# KiCad board AWS PROJECT.kicad_pcb (continued)
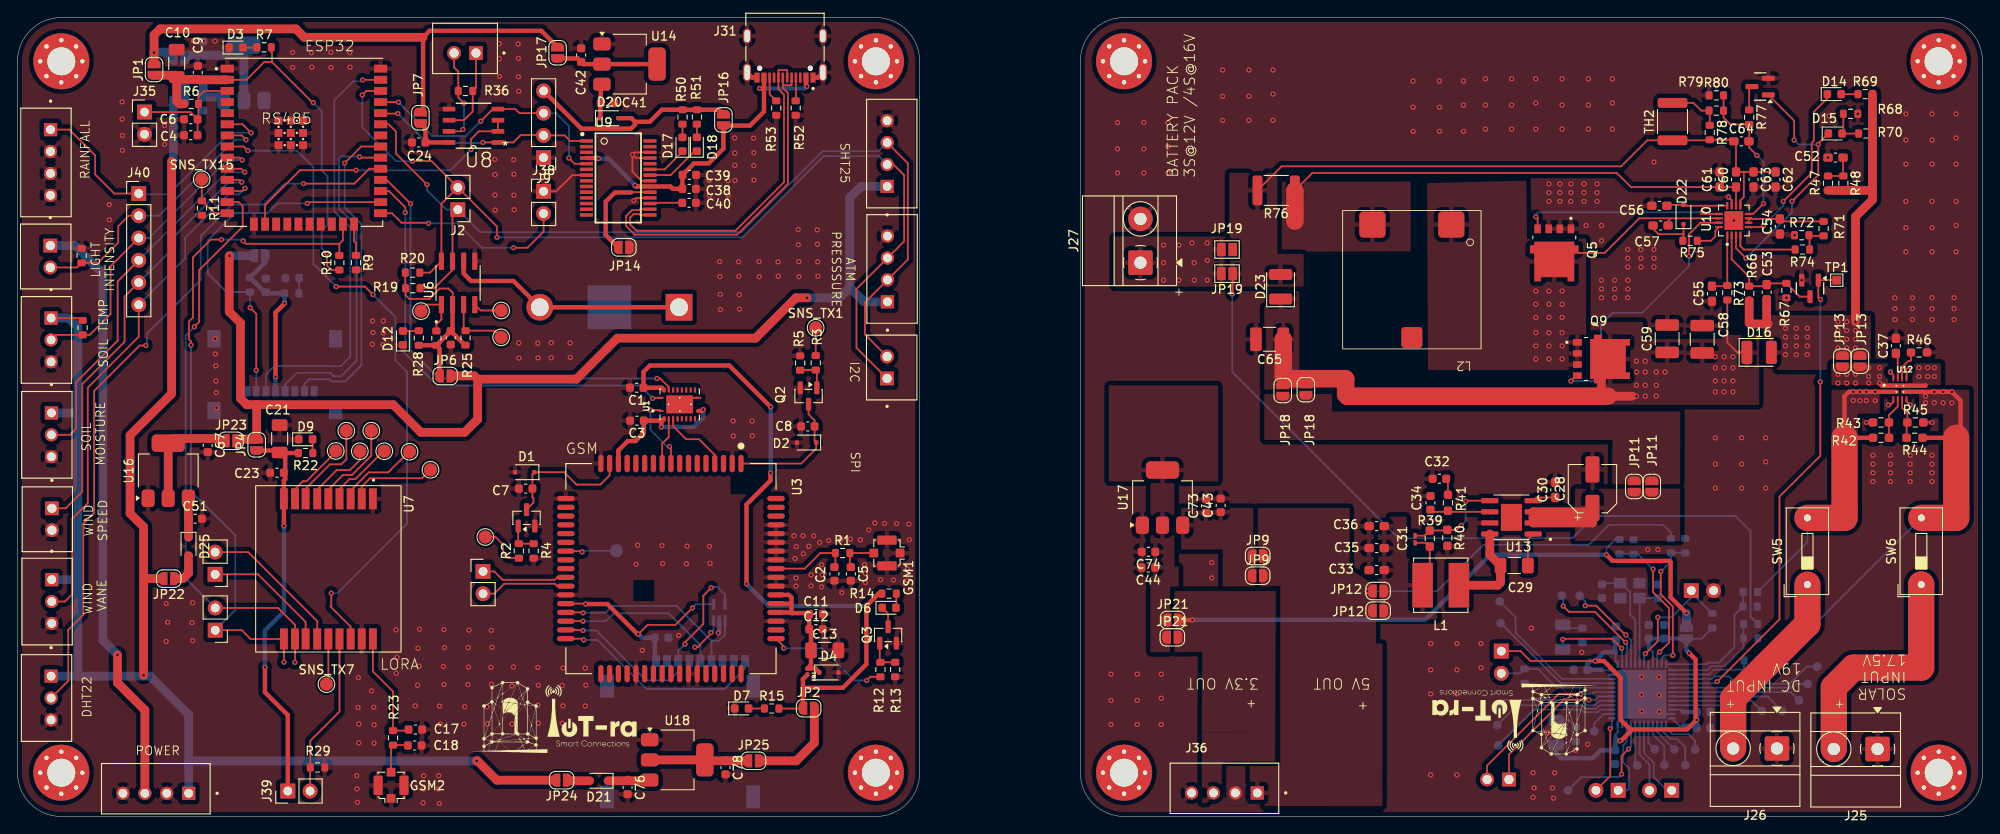
[diagram p0: board, top side]
## Routing (per net, layer and track width the routed paths; a pad name or vN(x,y) marks a point on that pad's centre or on a via; arc(x,y) is an arc through that point) (continued)
/gate way/SIM CLK: length 23.8
  Top w0.2: v1(79.16,21.01) 79.16,20.88 77.62,19.34 v1(77.33,19.34) ; v1(64.56,22.3) 64.55,22.31 U3.32
  Bottom w0.2: D5.3 79.47,21.32 v1(79.16,21.01) ; 77.97,19.32 77.94,19.34 v1(77.33,19.34) ; 77.97,19.32 J10.C3 ; 77.97,19.32 77.97,19.58 74.35,23.2 68.07,23.2 67.17,22.3 v1(64.56,22.3)
/gate way/SIM DATA: length 24.4
  Top w0.2: v1(64.58,23.26) 64.53,23.31 U3.31
  Bottom w0.2: 79.23,20.05 79.25,20.07 80.08,20.07 80.77,20.76 D5.1 ; 79.23,20.05 75.24,24.05 67.9,24.05 67.11,23.26 v1(64.58,23.26) ; 79.23,20.05 J10.C7
/gate way/SIM DET: length 24.7
  Top w0.2: v1(64.63,20.16) 64.48,20.31 U3.34
  Bottom w0.2: v1(64.63,20.16) 66.21,20.16 71.81,14.56 80.72,14.56 83.05,16.88 J10.CD
/gate way/SIM RST: length 29.8
  Top w0.2: v1(76.2,19.68) 76.2,19.89 78.3,21.99 78.3,25.22 v1(79.21,26.13) ; U3.33 64.5,21.31 v1(64.56,21.25)
  Bottom w0.2: v1(76.2,19.68) 75.42,18.91 J10.C2 75.42,16.55 74.42,15.55 71.76,15.55 66.06,21.25 v1(64.56,21.25) ; D5.5 80.77,25.35 79.91,26.21 79.29,26.21 v1(79.21,26.13)
/gate way/SIM VDD: length 24.5
  Top w0.2: v1(70.88,20.83) 71.93,21.88 75.11,21.88 v1(77.06,23.83) ; v1(64.86,24.26) 64.81,24.31 U3.30
  Top w0.5: v1(70.88,20.83) 70.78,20.83 67.35,24.26 v1(64.86,24.26)
  Bottom w0.2: D5.4 77.48,24.25 v1(77.06,23.83)
  Bottom w0.5: v1(70.88,20.83) 71.3,20.41 C14.1 72.76,17.88 J10.C1
/gate way/strap2: length 3.7
  Top w0.2: U2.24 38.42,65.72 38.64,65.5 R9.1
/gate way/strap12: length 6
  Top w0.2: SNS_TX15.1 21.03,70.34 R11.1 22.48,68.9 U2.14
/gate way/tx: length 31.1
  Top w0.2: J9.3 57.29,80.33 56.83,80.79 U8.4 54.27,80.79 v1(52.88,79.41) ; v1(62.95,75.19) 63.58,74.55 U9.5 ; v1(43.49,81.58) 43.14,81.58 43.12,81.6 U2.35
  Bottom w0.2: v1(43.49,81.58) 47.36,77.71 51.18,77.71 v1(52.88,79.41) ; J9.3 61.48,80.33 62.95,78.86 v1(62.95,75.19)
/gate way/USBD+: length 38.3
  Top w0.2: J31.A6 87.87,85.21 87.82,85.26 86.92,85.26 86.87,85.21 J31.B6 86.87,83.08 87.28,82.67 87.28,82.66 87.5,82.44 87.5,72.44 81.97,66.91 70.65,66.91 69.94,67.62 69.94,68.39 70.35,68.8 70.98,68.8 71.08,68.7 U9.15
/gate way/USBD-: length 39.8
  Top w0.2: 88.41,84.43 J31.B7 88.37,83.57 88.32,83.52 87.42,83.52 87.37,83.57 ; U9.16 71.08,69.35 70.98,69.25 70.17,69.25 69.48,68.57 69.48,67.44 70.47,66.45 82.15,66.45 87.95,72.26 87.95,82.65 87.79,82.81 87.79,82.81 87.37,83.23 87.37,83.57 ; 87.37,83.57 J31.A7
/gate way/VH400: length 43.7
  Top w0.2: v1(25.94,73.59) 25.55,73.98 U2.10 ; J40.4 11.43,61.12 11.43,54.34 6.69,49.6 6.69,44.29 5.99,43.59 J20.2
  Bottom w0.2: v1(25.94,73.59) 23.9,73.59 J40.4
/gate way/VSPI-CLK: length 39.2
  Top w0.2: v1(39.05,75.34) 39.14,75.25 U2.30
  Bottom w0.2: J19.5 30.55,49.36 31.86,50.67 35.73,50.67 36.12,50.28 36.93,50.28 38.7,52.05 38.7,67.44 36.69,69.45 36.69,75.12 36.95,75.38 39.01,75.38 v1(39.05,75.34)
/gate way/VSPI-MISO: length 37.2
  Top w0.2: U2.31 39.24,76.52 v1(37.35,74.63)
  Bottom w0.2: v1(37.35,74.63) 37.35,69.56 39.26,67.65 39.26,51.54 37.4,49.68 35.87,49.68 35.61,49.94 33.33,49.94 32.75,49.36 J19.7
/gate way/VSPI-MOSI: length 48.7
  Top w0.2: v1(39.41,84.12) 39.43,84.14 U2.37
  Bottom w0.2: v1(39.41,84.12) 39.25,83.96 38.34,83.96 36.16,81.78 36.16,69.12 37.99,67.29 37.99,52.51 36.91,51.43 35.42,51.43 35.39,51.46 29.33,51.46 28.36,50.48 28.36,48.56
/power board/BATT_INPUT: length 11.9
  Bottom w0.2: U15.13 192.94,16.71 193.4,17.17 194.92,17.17 197.05,19.3 R65.1 197.05,20.35 R64.2
/power board/BATT_VAL: length 160
  Top w0.2: R76.2 144.31,74.25 183.09,74.25 186.06,77.23 TH2.1 193.14,77.23 R78.2 195.77,77.29 C64.1 196.2,76.87 C60.2 197.09,73.62 ; C62.1 C63.1 197.09,73.62 ; JP19#2.1 138.74,59.73 v1(138.68,59.67) ; U10.9 196.7,70.37 197.09,70.75 197.09,73.62
  Bottom w0.2: R64.1 197.85,22.81 197.85,32.56 197.87,32.58 196.13,34.32 180.05,34.32 177.52,31.79 157.67,31.79 138.68,50.78 v1(138.68,59.67)
/power board/BATTERY BMS:
  vias: v1(130.84,65.25) v1(130.84,63.25) v1(130.84,61.25) v1(132.59,65.25) v1(132.59,63.25) v1(132.59,61.25) v1(134.09,65.5) v1(134.34,63.25) v1(134.34,61.25) v1(135.84,65.5) v1(135.84,63.5) v1(135.84,61.25)
/power board/BOOT0_MCU: length 13.7
  Bottom w0.2: U15.44 175.71,14.71 173.56,16.85 172.06,16.85 171.56,16.35 J7.2
/power board/BOOT1_MCU: length 10.7
  Bottom w0.2: U15.20 197.98,13.21 PB9.1
/power board/btst: length 3.5
  Top w0.2: R75.2 193.34,65.75 193.84,66.25 193.84,66.89 U10.16
/power board/CE: length 58.2
  Top w0.2: v1(205.82,49.65) 205.82,41.2 201.16,36.54 201.16,22.52 v1(194.05,15.41) ; TP1.1 Q4.1 205.6,59.3 v1(205.84,59.06)
  Bottom w0.2: v1(205.84,59.06) 205.82,59.04 v1(205.82,49.65) ; v1(194.05,15.41) 193.85,15.21 U15.16
/power board/cin: length 12.2
  Bottom w0.2: C45.2 181.04,26.64 183.08,26.64 184.12,25.61 184.12,23.05 184.69,22.47 U15.5
/power board/cout: length 9.7
  Bottom w0.2: C46.2 187.26,24.94 Y1.3 185.19,20.68 185.19,20.68 185.19,19.04 185.19,19.03 U15.6
/power board/DC JACK INPUT: length 38.3
  Top w0.5: R42.1 208.59,43.25 208.59,48 209.09,48.5 v1(209.59,48.5) v1(210.34,48.5) v1(211.09,48.5) v1(212.09,48.5) U12.2_1
  Top w3: SW5.2 208.59,34.11 208.59,43.25
  Bottom w0.2: SW5.2 204.35,31.33 R59.1
  vias: v1(209.59,47.5) v1(210.34,47.5) v1(211.09,47.5) v1(212.09,47.5)
/power board/DC_INPUT: length 15.3
  Bottom w0.2: R59.2 197,24.02 R60.1 196.01,23.02 196.01,19.33 194.25,17.57 192.99,17.57 192.82,17.39 U15.12
/power board/FB: length 11.5
  Top w0.2: C31.2 160.64,32.07 R39.2 163.16,32.66 R40.1 164.32,32.74 v1(164.84,33.25) ; v1(165.34,36) 165.59,36 165.65,36.07 U13.5
  Bottom w0.2: v1(165.34,36) 165.34,33.75 v1(164.84,33.25)
/power board/hidriv: length 31
  Top w0.2: U10.15 192.15,67.82 190.84,66.5 v1(190.84,64) ; v1(177.35,49.74) 177.96,50.35 Q9.4
  Bottom w0.2: v1(177.35,49.74) 180.23,49.74 180.78,50.29 180.78,56.18 182.11,57.51 185.47,57.51 190.84,62.88 v1(190.84,64)
/power board/lodriv: length 22.8
  Top w0.2: v1(173.34,68.5) 173.54,68.3 Q5.4 ; U10.13 192.52,68.82 v1(192.34,69)
  Bottom w0.2: v1(192.34,69) 173.59,69 173.34,68.75 v1(173.34,68.5)
/power board/MCU_SCL: length 17.4
  Top w0.2: v1(179.41,13.31) 179.37,13.35 176.55,13.35 170.28,7.08 J4.1
  Bottom w0.2: U15.42 180.52,13.71 180.12,13.31 v1(179.41,13.31)
/power board/MCU_SDA: length 19.3
  Top w0.2: J4.2 167.78,5.82 175.98,14.02 v1(178.46,14.02)
  Bottom w0.2: U15.43 179.97,14.21 179.78,14.02 v1(178.46,14.02)
/power board/mpptset: length 14.4
  Top w0.2: Q4.3 203.47,59.37 R67.2 200.23,60.89 200.08,60.74 C53.2 199.52,60.57 R66.1 197.7,61.64 195.7,63.64 U10.2
/power board/MUXOUT: length 42.1
  Top w0.2: C53.1 199.7,56.89 199.84,56.75 ; 200.49,52.75 D16.2
  Top w1: C53.1 199.7,56.39 199.84,56.25 197.84,56.25 197.7,56.39 R66.2 ; v1(209.84,56.5) 209.84,68.5 211.77,70.44 211.77,71.5 ; 211.77,71.5 R48.2 R47.2 ; 211.77,71.5 R69.2
  vias: v1(201.84,55.75) v1(201.84,54.75) v1(201.84,53.75) v1(201.84,52.75) v1(203.09,55.75) v1(203.09,54.75) v1(203.09,53.75) v1(203.09,52.75) v1(204.34,55.75) v1(204.34,54.75) v1(204.34,53.75) v1(204.34,52.75) v1(207.84,56.5) v1(207.84,55.5) v1(207.84,54.5) v1(207.84,53.5) v1(208.84,56.5) v1(208.84,55.5) v1(208.84,54.5) v1(208.84,53.5) v1(209.84,55.5) v1(209.84,54.5) v1(209.84,53.5)
/power board/OV1: length 4.7
  Top w0.2: R44.2 215.67,44.92 R45.1 215.76,46.08 215.16,46.68 U12.5
/power board/OV2: length 4.9
  Top w0.2: U12.4 214.66,46.83 213.66,45.83 R43.1 R42.2
/power board/ph: length 21.4
  Top w0.2: 188.76,68.32 185.15,68.32 181.2,64.37 Q5.5_6 ; 188.76,68.32 188.45,68 C56.2 ; 188.76,68.32 U10.14
  vias: v1(173.34,60) v1(173.34,58.5) v1(173.34,57) v1(173.34,55.25) v1(173.34,53.75) v1(173.34,52.25) v1(174.84,60) v1(174.84,58.5) v1(174.84,57) v1(174.84,55.25) v1(174.84,53.75) v1(174.84,52.25) v1(176.34,60) v1(176.34,58.5) v1(176.34,57) v1(176.34,55.25) v1(176.34,53.75) v1(176.34,52.25)
/power board/regn: length 7
  Top w0.2: C57.1 188.41,69.85 D22.2 190.44,69.85 190.54,69.75 U10.12
/power board/RST_MCU: length 14.9
  Top w0.2: v1(187.27,22.75) 187.27,20.02 v1(185.85,18.6)
  Bottom w0.2: 191.09,25.56 191.09,25 188.84,22.75 v1(187.27,22.75) ; 191.09,25.56 193.48,23.18 R32.1 ; 191.09,25.56 J8.1 ; U15.7 185.69,18.44 v1(185.85,18.6)
/power board/SOLAR INPUT: length 53.7
  Top w0.5: R44.1 221.34,43.25 221.84,43.75 221.84,47.5 v1(220.84,48.5) v1(219.84,48.5) v1(218.84,48.5) U12.7_1
  Top w3: SW6.2 221.34,34.11 221.34,43.25
  Bottom w0.2: R81.1 201.11,17.82 203.82,20.53 203.82,20.58 SW6.2
  vias: v1(217.84,48) v1(217.84,47.25) v1(218.84,47.25) v1(219.84,47.25) v1(220.84,47.25)
/power board/SOLAR_INPUT: length 10.6
  Bottom w0.2: 197.12,17.82 197.11,17.81 R82.1 197.11,16.67 197.01,16.77 193.67,16.77 193.11,16.21 U15.14
/power board/srp: length 57.5
  Top w0.2: R76.1 147.84,73.5 182.59,73.5 184.2,71.89 C61.1 C60.1 U10.10
  Top w2: R76.1 145.84,68
/power board/stat1: length 19.8
  Top w0.2: v1(201.59,70.25) 204.84,73.5 204.84,76.92 205.09,77.17 205.09,80.49 206.62,82.03 D14.1 ; v1(199.34,67.5) 199.15,67.32 U10.5
  Bottom w0.2: v1(199.34,67.5) 201.59,69.75 v1(201.59,70.25)
/power board/stat2: length 30.6
  Top w0.2: U10.3 196.2,64.89 v1(197.34,63.75) ; v1(202.84,77.25) 202.84,79.47 Q12.1 ; D15.1 205.59,76.85 205.59,73.25 v1(202.59,70.25)
  Bottom w0.2: v1(202.59,70.25) 202.59,69 v1(197.34,63.75) ; v1(205.59,76.75) 203.34,76.75 v1(202.84,77.25)
/power board/SW_AP: length 10.9
  Top w1: L1.1 169,26.41 169.31,26.73 C29.1 168.09,29.89 U13.8
/power board/ts: length 7.7
  Top w0.2: R74.2 197.09,64.75 196.7,65.14 U10.4
/power board/vfb: length 17.8
  Top w0.2: v1(199.34,70) 198.15,68.82 U10.8 ; R80.2 R79.1 194.77,79.82 195.59,79 195.62,79.04 R77.2 197.7,77.14 C64.2 197.67,76.42 v1(198.59,75.5)
  Bottom w0.2: v1(199.34,70) 199.34,74.75 v1(198.59,75.5)
/power board/vref: length 9.2
  Top w0.2: R71.2 201.49,67.97 C54.1 197.7,68.25 U10.7 U10.6
Net-(C5-Pad1): length 4.4
  Top w0.2: C5.1 95.02,28.6 R1.2 GSM1.1
Net-(C11-Pad1): length 17.3
  Top w0.5: 88.48,23.24 88.36,23.36 88.36,24.3 ; 88.48,23.24 88.49,23.23 90.27,23.23 90.39,23.12 90.39,21.39 C12.1 90.59,21.19 C13.1 90.59,17.32 90.18,16.91 91.07,16.91 D4.1 ; 88.48,23.24 88.24,23.24 88.17,23.31 U3.55 ; U3.56 86.61,24.3 88.36,24.3 ; 88.36,24.3 88.36,25.01 88.06,25.31 U3.57
Net-(C18-Pad1): length 4.9
  Top w0.2: GSM2.1 42.64,7.93 R23.2 44.53,8.16 C18.1
Net-(C32-Pad1): length 1.9
  Top w0.2: R41.1 163.31,38.38 C32.1
Net-(C52-Pad1): length 3.9
  Top w0.2: C52.1 208.42,73.18 R48.1 R47.1
Net-(C56-Pad1): length 6
  Top w0.2: C56.1 186.72,67.12 187.34,66.5 190.2,66.5 ; D22.1 190.2,66.5 ; 190.2,66.5 190.2,65.83 R75.1
Net-(D3-A): length 1.6
  Top w0.2: D3.2 27.3,87.82 R7.1
Net-(D6-A): length 1.6
  Top w0.2: D6.2 100.33,23.88 R14.1
Net-(D6-K): length 2.4
  Top w0.2: Q3.3 99.39,23.16 D6.1
Net-(D7-A): length 1.8
  Top w0.2: R15.1 83.47,12.33 D7.2
Net-(D9-A): length 1.6
  Top w0.2: D9.2 33.69,41.54 R22.1
Net-(D10-K): length 2.5
  Bottom w0.2: R31.2 177.19,10.95 D10.1
Net-(D12-A): length 1.8
  Top w0.2: R28.1 45.78,55.44 D12.2
Net-(D13-A): length 1.8
  Bottom w0.2: D13.2 32.16,59.79 R30.1
Net-(D14-A): length 1.9
  Top w0.2: R69.1 D14.2
Net-(D15-A): length 4.2
  Top w0.2: R68.2 208.45,78.14 D15.2 R70.1
Net-(D16-K): length 59.3
  Top w0.2: D16.1 196.34,53 195.2,54.14 R73.2
  Top w1: Q9.5_6 180.84,48.5 180.34,48 184.34,48
  Top w2: 181.59,48 151.82,48 151.63,48.19 151.63,49.94 151.57,50 144.84,50 144.51,50.33 C65.1
  vias: v1(184.84,52) v1(184.84,50.75) v1(184.84,49.25) v1(184.84,48) v1(185.84,52) v1(185.84,50.75) v1(185.84,49.25) v1(185.84,48) v1(187.09,50.75) v1(187.09,49.25) v1(187.09,48) v1(188.09,50.75) v1(193.84,52.5) v1(193.84,51.25) v1(193.84,49.75) v1(193.84,48.5) v1(194.84,52.5) v1(194.84,51.25) v1(194.84,49.75) v1(194.84,48.5) v1(195.84,52.5) v1(195.84,51.25) v1(195.84,49.75) v1(195.84,48.5)
Net-(D17-A): length 1.5
  Top w0.2: D17.2 75.92,77.58 R50.1
Net-(D17-K): length 4.6
  Top w0.2: U9.23 73.88,73.91 75.91,75.94 D17.1
Net-(D18-A): length 1.5
  Top w0.2: R51.1 D18.2
Net-(D18-K): length 6.5
  Top w0.2: U9.22 74.56,73.25 77.3,75.99 D18.1
Net-(D19-A): length 10.2
  Top w0.2: v1(176.41,20.23) 176.48,20.3 182.05,20.3 v1(183.14,19.21)
  Bottom w0.2: U15.2 183.19,19.16 v1(183.14,19.21) ; v1(176.41,20.23) D19.2
Net-(D19-K): length 2.4
  Bottom w0.2: R37.2 176.81,21.5 D19.1
Net-(D20-K): length 4
  Top w0.5: U14.3 66.58,83.5 C41.1 66.54,81.44 D20.1 ; 66.72,81.4 66.78,81.34
Net-(D21-A): length 2.6
  Top w1: D21.2 62.84,4.08 JP24.1
Net-(D21-K): length 4.9
  Top w1: 69.72,4.16 C76.1 ; U18.3 72.09,4.08 D21.1
Net-(D24-A): length 2.5
  Bottom w1: D24.2 19.09,84.08 JP10.1
Net-(D24-K): length 4.5
  Bottom w1: D24.1 21.19,84.08 C47.1 23.14,82.18 U11.3
Net-(D25-A): length 3.9
  Top w1: JP22.1 18.89,27.17 19.52,27.8 D25.2
Net-(D25-K): length 4.5
  Top w1: D25.1 19.52,33.99 C51.1 19.5,36.33 U16.3
Net-(J5-Pin_1): length 9.7
  Bottom w0.2: 189.19,2.98 188.69,2.98 ; J5.1 188.29,2.99 186.81,4.47 186.81,6.14 185.69,7.25 U15.30
Net-(J5-Pin_2): length 8
  Bottom w0.2: J5.2 186.31,5.93 185.19,7.05 185.19,7.85 185.2,7.86 185.2,9.79 185.19,9.79 U15.31
Net-(J6-Pin_1): length 9.1
  Bottom w0.2: J6.1 183.8,2.99 183.99,3.18 183.99,5.51 183.32,6.18 183.32,8.14 183.69,8.51 U15.34
Net-(J6-Pin_2): length 9
  Top w0.2: J6.2 181.84,4.62 v1(181.84,10.03)
  Bottom w0.2: v1(181.84,10.03) 182.01,10.2 U15.37
Net-(J13-Pin_1): length 14.5
  Top w0.2: J13.1 27.45,27.66 32.89,22.22 U7.12
Net-(J13-Pin_2): length 17
  Top w0.2: 22.56,30.19 26.34,30.19 34.22,22.31 U7.13
Net-(J25-Pin_2): length 27.4
  Top w3: J25.2 207.36,14.75 209.61,17 217.34,17 217.34,26.49 SW6.1
Net-(J26-Pin_2): length 22.2
  Top w3: SW5.1 204.35,21.98 195.87,13.5 J26.2
Net-(J31-CC1): length 2.7
  Top w0.2: 88.84,81.73 88.87,81.76 J31.A5
Net-(J31-CC2): length 3
  Top w0.2: J31.B5 85.87,82.48 86.62,81.73
Net-(J35-Pin_1): length 14.4
  Top w0.2: C6.1 20.66,79.72 R6.2 20.66,82.2 21.32,82.87 U2.3 ; C6.1 19.73,80.45 J35.1 ; C6.1 20.56,77.82 C4.2
Net-(J38-Pin_2): length 23.1
  Top w0.2: v1(46.93,67.74) 46.86,67.81 43.84,67.81 42.75,68.9 U2.25 ; v1(56.63,64.96) 58.22,64.96 60.06,66.8 J38.2
  Bottom w0.2: v1(56.63,64.96) 52.99,64.96 50.21,67.74 v1(46.93,67.74)
Net-(JP11-A): length 24.4
  Top w1: 173.04,34.15 U13.2 179.8,33.53 179.81,33.54 C28.1 ; 173.04,34.15 178.73,34.15 C28.1 ; 173.04,34.15 U13.3 179.37,34.8 C28.1 ; C28.1 179.81,34.73
Net-(JP12-A): length 6.6
  Top w0.2: L1.2 161.24,27.24 R39.1 160.82,31.26 C31.1
Net-(JP13-A): length 5.1
  Top w0.5: U12.8 217.79,49.2 217.84,49.25 ; v1(212.59,49.5) 212.89,49.2 U12.8_1
  vias: v1(207.84,50.5) v1(207.84,49.5) v1(208.84,50.5) v1(208.84,49.5) v1(209.84,50.5) v1(209.84,49.5) v1(211.34,51.25) v1(211.34,50.25) v1(211.34,49.5) v1(212.59,51.25) v1(212.59,50.25) v1(217.09,51.25) v1(217.09,50.25) v1(218.09,51.25) v1(218.09,50.25) v1(218.84,51.25) v1(218.84,50.25)
Net-(JP14-A): length 11.3
  Top w0.2: 70.07,71.27 70.11,71.3 U9.19
  Top w0.5: JP14.1 67.15,66.42 67.15,70.22 68.2,71.27 70.07,71.27
Net-(JP15-A): length 13.8
  Bottom w1: U11.2 U11.2 25.84,87.93 24.86,86.95 19.48,86.95 JP15.1
Net-(JP17-A): length 11.6
  Top w0.5: JP17.1 63.96,86.58 C42.1 64.61,85.93 U14.2 U14.2
Net-(JP23-A): length 13.1
  Top w1: JP23.1 23.07,42.91 22.81,43.17 C67.1 17.74,43.17 U16.2 U16.2
Net-(JP25-A): length 11.3
  Top w1: U18.2 U18.2 78.57,6.36 C78.1 80.83,6.36 JP25.1
Net-(Q1-B): length 3.7
  Top w0.2: R4.2 R2.2 57.16,31.22 Q1.1
Net-(Q2-B): length 3.9
  Top w0.2: R5.2 89.38,50.99 R3.2 91.26,50.86 Q2.1
Net-(Q3-B): length 3.9
  Top w0.2: Q3.1 98.44,17.67 R12.2 98.52,17.61 R13.2
Net-(Q12-D): length 2.8
  Top w0.2: Q12.3 197.7,83.06 R77.1
Net-(R71-Pad1): length 3.3
  Top w0.2: 204.6,66.32 R72.2 ; 204.6,66.32 R74.1 ; 204.6,66.32 R71.1
Net-(R78-Pad1): length 6.2
  Top w0.2: TH2.2 191.34,81.5 192.22,80.62 R79.2 193.2,80.54 R78.1
Net-(U3-USB_VBUS): length 5.9
  Top w0.2: v1(64.46,30.22) 64.37,30.31 U3.24
  Bottom w0.2: SNS_TX14.1 64.59,30.35 v1(64.46,30.22)
Net-(U6-VBAT): length 27.6
  Top w0.5: U6.6 50.94,62.02 51.79,61.16 56.62,61.16 BT1.1_1 BT1.1
Net-(U7-IO4): length 10.4
  Top w0.2: U7.5 35.49,37.34 37.16,39.01 38.19,39.01 40.39,41.21 SNS_TX3.1
Net-(U7-IO5): length 8.3
  Top w0.2: SNS_TX2.1 39.08,40.7 37.95,39.57 36.45,39.57 34.22,37.34 U7.6
Net-(U7-IO8): length 10
  Top w0.2: U7.2 39.3,37.68 40.25,38.63 46.18,38.63 SNS_TX6.1
Net-(U7-IO9): length 8
  Top w0.2: U7.4 36.76,37.4 37.9,38.54 38.58,38.54 41.76,41.72 SNS_TX4.1
Net-(U7-IO11): length 9.5
  Top w0.2: U7.3 38.03,37.23 40.1,39.3 42.31,39.3 44.67,41.66 SNS_TX5.1 44.77,41.67
Net-(U7-IO14): length 5.3
  Top w0.2: U7.14 35.49,15.33 SNS_TX7.1
Net-(U7-SWC/IO7): length 10.5
  Top w0.2: U7.7 32.89,37.44 35.67,40.22 36.96,40.22 37.54,40.8 SNS_TX11.1
Net-(U7-SWD/IO6): length 7.6
  Top w0.2: SNS_TX12.1 36.33,41.63 32.99,38.29 32.6,38.29 31.68,37.37 U7.8
Net-(U8-A): length 10
  Top w0.2: U8.6 50.97,79.52 50.97,79.52 51.97,80.52 R36.2 52.34,83.24 J24.1
Net-(U8-B): length 10.9
  Top w0.2: v1(50.84,78.47) 50.62,78.25 U8.7 ; J24.2 49.84,85.55 50.32,85.07 R36.1 50.32,82.11 v1(50.96,81.47)
  Bottom w0.2: v1(50.84,78.47) 50.96,78.59 v1(50.96,81.47)
Net-(U9-3V3OUT): length 3.7
  Top w0.2: U9.17 72.29,70.09 C40.1
Net-(U10-VCC): length 7.5
  Top w0.2: C55.1 195.12,60.57 R73.1 U10.1
Net-(U12-ILIM): length 3.6
  Top w0.2: R46.1 216.17,52.09 216.09,52 215.84,52 215.16,51.33 U12.10
Net-(U12-SS): length 3
  Top w0.2: C37.1 214.66,52.68 U12.11
Net-(U13-BST): length 3.8
  Top w0.2: C29.2 172.44,31.66 U13.1
Net-(U13-COMP): length 6.9
  Top w0.2: C34.1 161.56,34.8 U13.6
Net-(U13-SS): length 2.7
  Top w0.2: U13.4 173.41,36.44 C30.1
Net-(U15-PA5): length 17.9
  Bottom w0.2: U15.15 193.43,15.71 193.75,16.03 194.64,16.03 194.66,16.01 195.37,16.01 196.22,15.16 202.3,15.16 204.26,17.12 PB3.1
Net-(U15-PA7): length 15.7
  Bottom w0.2: PB1.1 203.11,15.13 202.69,14.71 U15.17
Net-(U15-PA8): length 3.1
  Bottom w0.2: U15.29 186.19,8.41 PB2.1
Net-(U15-PA11): length 4.8
  Bottom w0.2: PB4.1 184.69,6.05 U15.32
Net-(U15-PA12): length 13
  Top w0.2: v1(183.92,7.7) 183.13,6.91 v1(183.13,4.83)
  Bottom w0.2: v1(183.92,7.7) 184.19,7.97 U15.33 ; v1(183.13,4.83) 182.8,4.5 178.53,4.5 PB5.1
Net-(U15-PA15/JTDI): length 3.3
  Bottom w0.2: PB8.1 180.01,10.62 181.1,11.71 U15.38
Net-(U15-PB0): length 14.9
  Bottom w0.2: PB21.1 202.44,14.21 U15.18
Net-(U15-PB1): length 13.3
  Bottom w0.2: PB22.1 199.79,13.71 U15.19
Net-(U15-PB3/JTDO-SWO): length 14.9
  Bottom w0.2: U15.39 180.72,12.21 180.42,11.91 178.83,11.91 178.53,12.21 173.14,12.21 PB20.1
Net-(U15-PB4/~{JTRST}): length 14.3
  Bottom w0.2: U15.40 180.65,12.71 180.25,12.31 179,12.31 178.6,12.71 171.21,12.71 PB19.1
Net-(U15-PB5): length 13.5
  Bottom w0.2: PB18.1 169.64,13.29 178.58,13.29 179.16,12.71 180.09,12.71 180.59,13.21 U15.41
Net-(U15-PB8): length 15.5
  Bottom w0.2: U15.45 176.21,15.21 PB11.1
Net-(U15-PB9): length 17.5
  Bottom w0.2: U15.46 176.32,15.71 171.03,21 171.03,22.77 PB12.1
Net-(U15-PB10): length 8
  Bottom w0.2: U15.21 196.05,12.71 PB13.1
Net-(U15-PB12): length 5.3
  Bottom w0.2: PB14.1 191.53,8.65 190.78,9.4 188.94,9.4 188.19,10.14 U15.25
Net-(U15-PB13): length 6.2
  Bottom w0.2: PB15.1 190.41,7.91 189.43,8.89 188.66,8.89 187.69,9.86 U15.26
Net-(U15-PB14): length 3.7
  Bottom w0.2: PB16.1 187.19,9.64 U15.27
Net-(U15-PB15): length 5.2
  Bottom w0.2: U15.28 186.69,9.38 188.01,8.06 PB17.1
Net-(U15-PC14-OSC32_IN): length 12.7
  Top w0.2: v1(176.47,24.03) 177.12,23.38 180.08,23.38 183.57,19.89 v1(183.59,19.89)
  Bottom w0.2: PB7.1 176.47,25.05 v1(176.47,24.03) ; U15.3 183.69,17.4 183.69,18.8 183.74,18.85 183.74,19.74 v1(183.59,19.89)
Net-(U15-PC15-OSC32_OUT): length 11
  Top w0.2: v1(183.61,20.75) 183.56,20.75 180.23,24.08 v1(178.98,24.08)
  Bottom w0.2: U15.4 184.19,20.16 v1(183.61,20.75) ; PB6.1 178.98,24.58 v1(178.98,24.08)

## Copper pours and planes (outline as drawn; the poured copper is in the pictures)
+3.3V on Top: 137.76,6.19 143.58,6.27 143.59,9.66 135.21,9.58 135.22,1.54 137.76,1.54
+3.3V on Top: 132.09,25.75 132.09,18.75 135.27,18.81 135.2,8.95 143.59,8.9 143.66,25.76
+5V on Top: 140.36,1.2 155.84,1.19 155.83,5.76 140.35,5.76
+5V on Top: 144.17,26.33 141.59,26.25 141.59,35.25 152.09,35.25 152.09,28.25 155.09,26.34 155.09,19.75 155.84,19.75 155.84,4.75 144.17,4.83
GND on Top: 140.17,5.77 140.18,1.25 138,1.26 138,5.76
GND on Top, Bottom: -14.47,110.34 107.77,111.59 108.71,-29.1 -16.29,-31.35
GND on Top, Bottom: 225.63,-0.9 119.84,-1.93 119.84,92.21 225.42,93.44
/power board/BATT_VAL on Top: 143.84,73.5 143.84,64.25 146.84,64.25 146.84,60.5 138.34,60.5 138.34,73.5
/power board/BATTERY BMS on Top: 137.91,66.25 125.16,66.25 125.16,60.5 137.91,60.5
/power board/BATTERY BMS on Bottom: 137.84,60.5 137.84,66.25 125.34,66.25 125.34,60.5
/power board/DC JACK INPUT on Top: 214.59,48.75 207.09,48.75 207.09,43.5 210.09,43.5 210.09,46 212.59,46 212.59,48.25 214.59,48.25
/power board/DC JACK INPUT on Bottom: 214.84,48.75 207.09,48.75 207.09,46.25 212.84,46.25 212.84,47.5 214.84,47.5
/power board/MUXOUT on Top: 211.59,52.1 211.59,57.25 199.34,57.25 199.34,51 206.84,51 206.84,52.1
/power board/MUXOUT on Bottom: 211.59,52.25 199.34,52.25 199.34,57.25 211.59,57.25
/power board/ph on Top: 179.09,51 179.09,66 172.34,66 172.26,72.62 160.93,72.34 161.03,51.01
/power board/ph on Bottom: 179.09,51 179.09,66 172.09,66 172.09,51
/power board/SOLAR INPUT on Top: 215.09,48.75 222.84,48.75 222.84,43.5 219.84,43.5 219.84,46 217.09,46 217.09,48.25 215.09,48.25
/power board/SOLAR INPUT on Bottom: 215.09,48.75 215.09,47.5 217.09,47.5 217.09,46 222.84,46 222.84,48.75
/power board/srp on Top: 144.34,72.5 159.06,72.53 159.06,64.53 144.34,64.5
Vbuck on Top: 182.07,37.73 189.82,37.75 189.84,46.25 150.09,46.25 150.09,48.25 142.34,48.25 142.34,43 182.09,43 182.06,39.94 182.06,38.84
Net-(D16-K) on Top: 198.84,55 198.84,47 179.59,47 179.59,56.5 185.59,56.5 185.59,54.5 194.59,54.57 194.59,55
Net-(D16-K) on Top: 142.34,60.25 146.34,60.25 146.34,48.65 142.34,48.65
Net-(D16-K) on Bottom: 198.84,47 198.84,54.5 182.62,54.29 182.62,46.79
Net-(JP9-A) on Top: 132.84,30.5 132.84,35.25 141.34,35.25 141.34,26.25 137.59,26.25 137.59,30.5
Net-(JP11-A) on Top: 179.81,37.44 189.82,37.45 189.82,31.47 177.79,31.47 177.8,37.44
Net-(JP12-A) on Top: 162.09,22.5 162.09,29.5 158.59,29.5 158.59,34.25 155.34,34.25 155.34,22.5
Net-(JP13-A) on Top: 219.59,49 219.59,51.75 216.34,51.75 216.34,49.5 213.59,49.5 213.59,51.75 207.09,51.75 207.09,49
Net-(JP13-A) on Bottom: 219.59,49 207.09,49 207.09,51.75 213.09,51.75 213.09,50.25 216.34,50.25 216.34,51.75 219.59,51.75
Net-(JP21-A) on Top: 124.59,49.25 137.09,49.25 137.09,38.25 132.09,38.25 132.09,28.55 132.59,28.55 132.59,26.25 131.59,26.25 131.59,18.75 129.34,18.75 129.34,38.25 124.59,38.25

## Text on the board
B.Silkscreen: G | 3V | 5V | SD CARD | www.ademnea.net | www.iot-ra.net | GATE WAY BOARD | AWS Gen4 V1, 2025 | POWER BOARD
F.Silkscreen: POWER | RAINFALL | SOIL TEMP | DHT22 | SOIL / MOISTURE | WIND / VANE | WIND / SPEED | LIGHT / INTENSITY | + | SHT25 | I2C | SPI | ATM / PRESSSURE | RS485 | ESP32 | LORA | GSM | BATTERY PACK / 3S@12V /4S@16V | 3.3V OUT | 5V OUT | DC INPUT / 19V | SOLAR / INPUT / 17.5V
